# Altium PCB robot.PcbDoc (part 12 of 13) (continued)
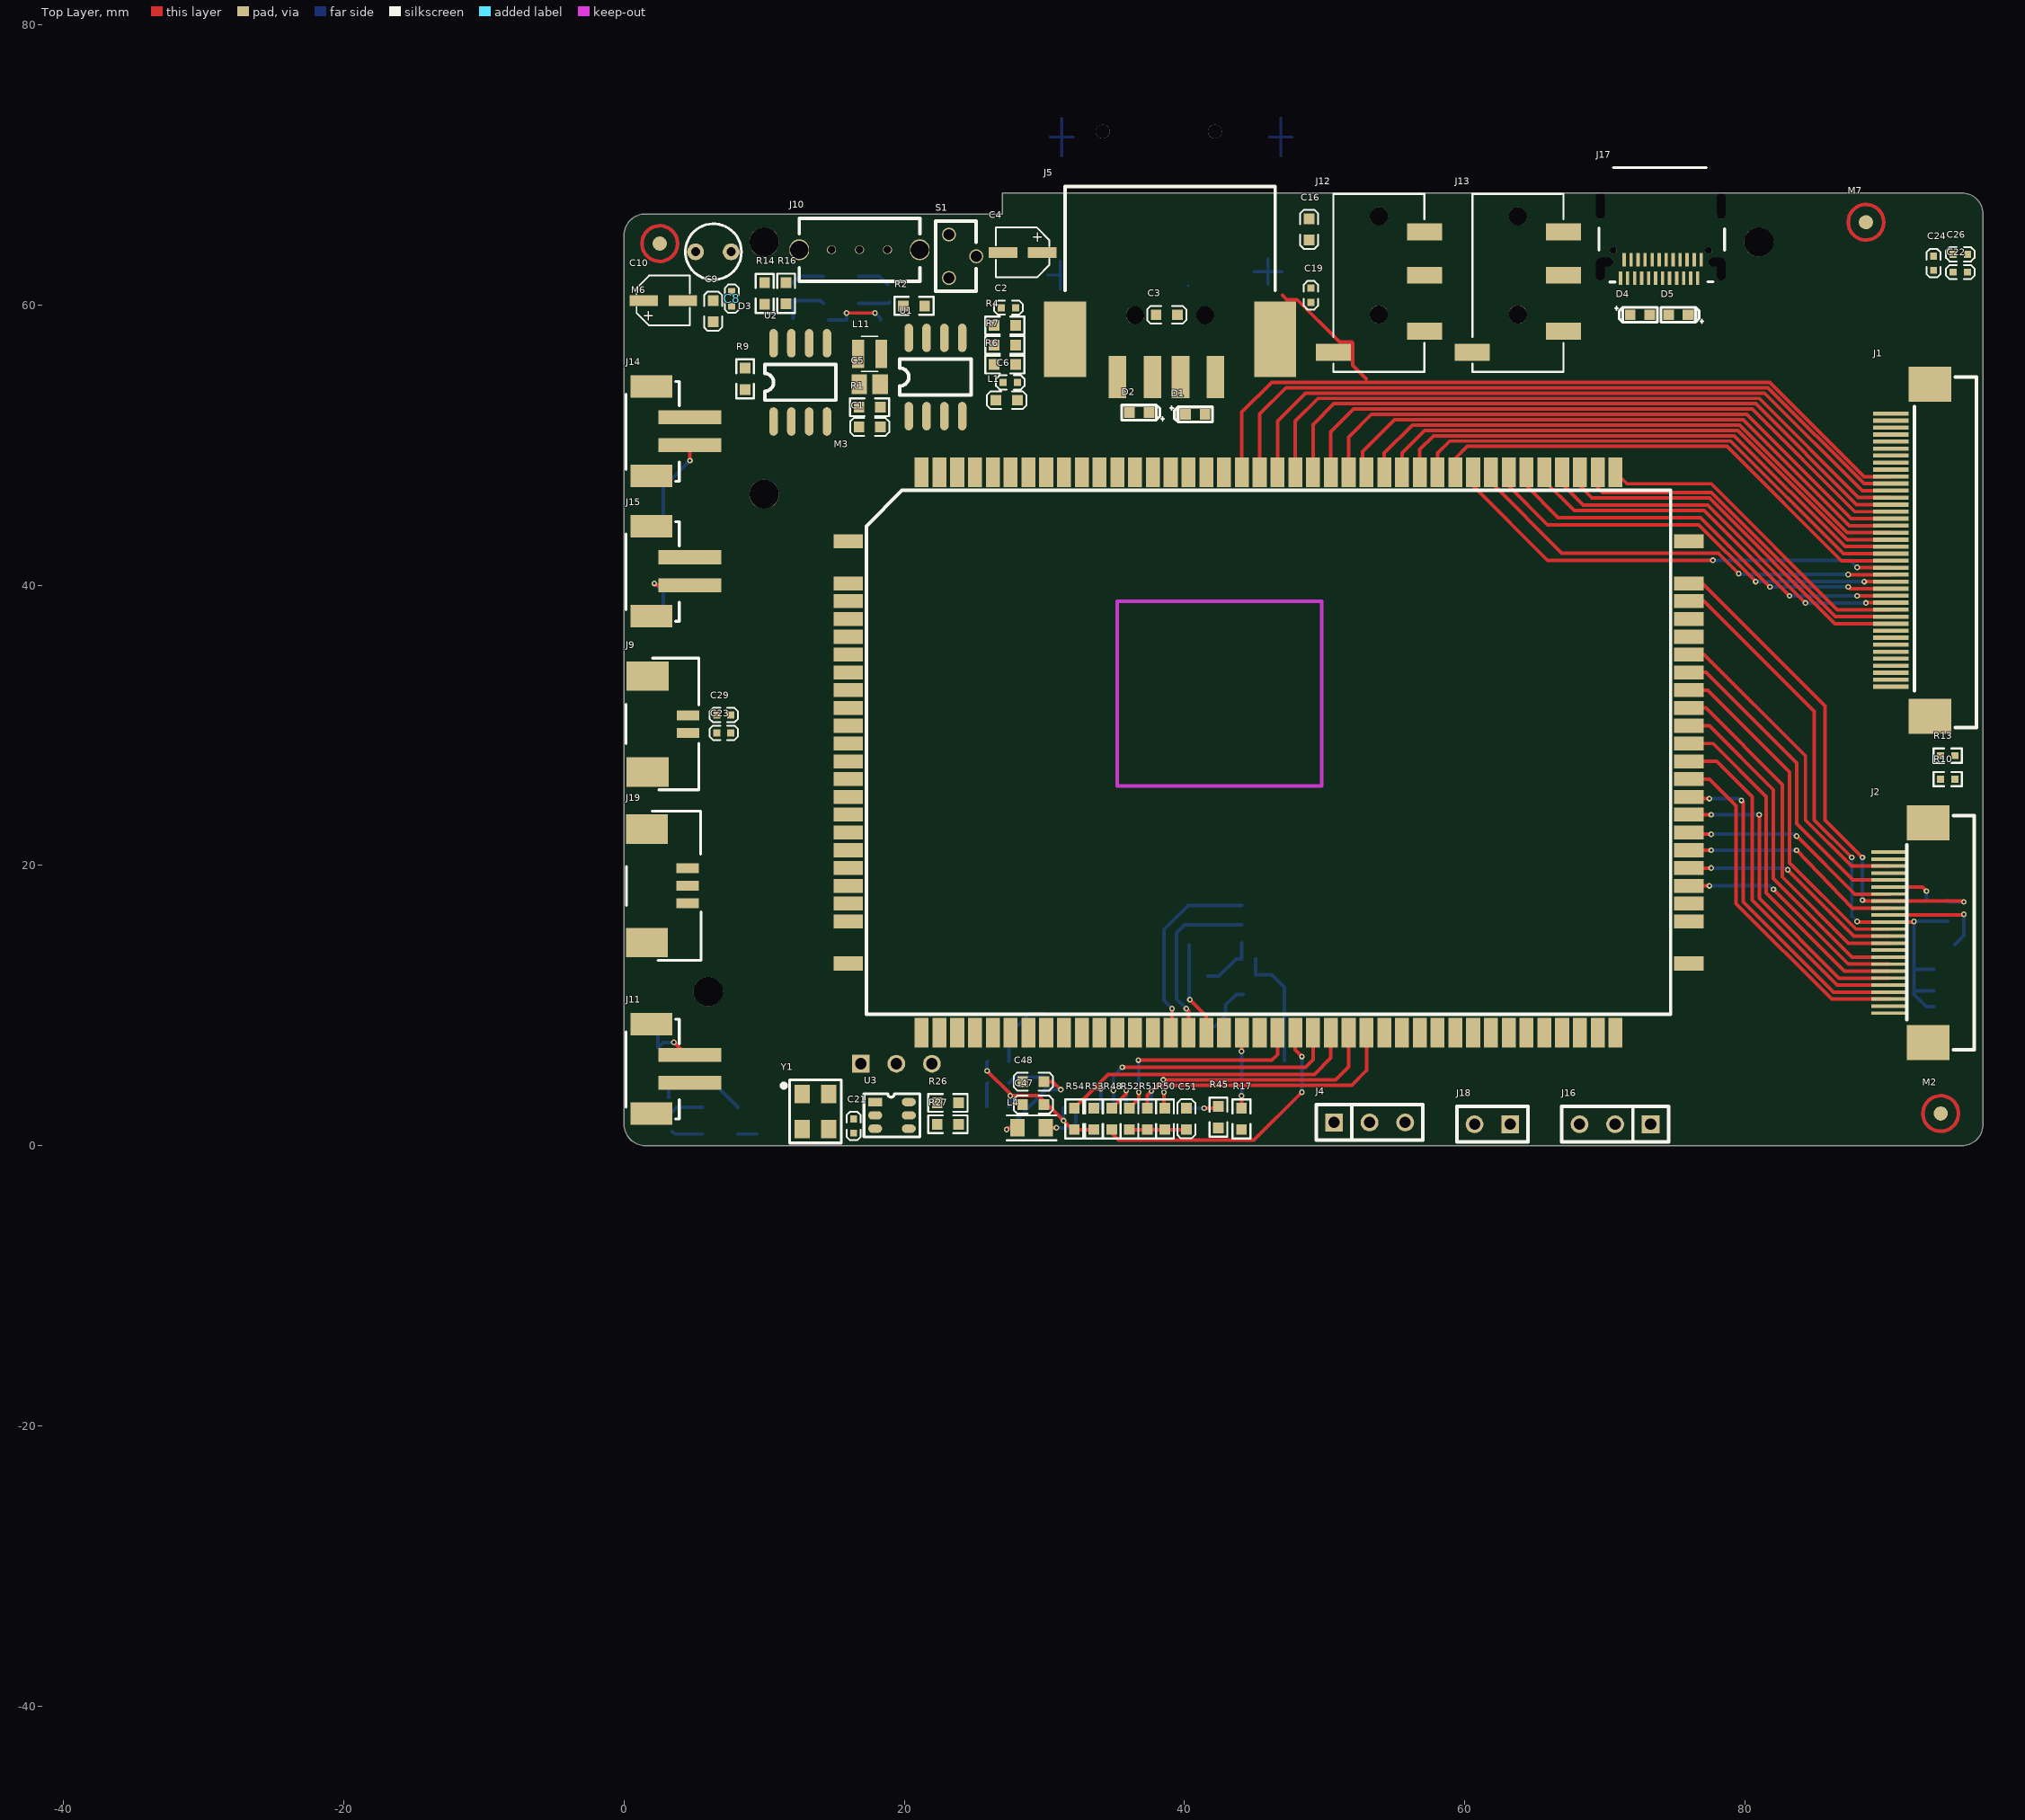
[diagram p0: Top Layer view]
## Free pads (board coordinates) (continued)
  round 0.002 on Mech14: 1(-39.048,-44.132) 1(-39.048,-44.132) 1(-39.048,-44.132) 1(-39.048,-44.131) 1(-39.048,-44.131) 1(-39.048,-44.131) 1(-39.048,-44.127) 1(-39.048,-44.127) 1(-39.048,-44.127) 1(-39.048,-44.126) 1(-39.048,-44.126) 1(-39.048,-44.126) 1(-39.045,-44.133) 1(-39.045,-44.133) 1(-39.045,-44.133) 1(-39.045,-44.132) 1(-39.045,-44.132) 1(-39.045,-44.132) 1(-39.045,-44.126) 1(-39.045,-44.126) 1(-39.045,-44.126) 1(-39.045,-44.125) 1(-39.045,-44.125) 1(-39.045,-44.125) 1(-39.044,-44.122) 1(-39.044,-44.122) 1(-39.044,-44.122) 1(-39.044,-44.119) 1(-39.044,-44.119) 1(-39.044,-44.119) 1(-39.044,-44.116) 1(-39.044,-44.116) 1(-39.044,-44.116) 1(-39.044,-44.114) 1(-39.044,-44.114) 1(-39.044,-44.114)
  round 0.002 on Mech15: 1(-39.048,-44.132) 1(-39.048,-44.132) 1(-39.048,-44.132) 1(-39.048,-44.131) 1(-39.048,-44.131) 1(-39.048,-44.131) 1(-39.048,-44.127) 1(-39.048,-44.127) 1(-39.048,-44.127) 1(-39.048,-44.126) 1(-39.048,-44.126) 1(-39.048,-44.126) 1(-39.045,-44.133) 1(-39.045,-44.133) 1(-39.045,-44.133) 1(-39.045,-44.132) 1(-39.045,-44.132) 1(-39.045,-44.132) 1(-39.045,-44.126) 1(-39.045,-44.126) 1(-39.045,-44.126) 1(-39.045,-44.125) 1(-39.045,-44.125) 1(-39.045,-44.125) 1(-39.044,-44.122) 1(-39.044,-44.122) 1(-39.044,-44.122) 1(-39.044,-44.119) 1(-39.044,-44.119) 1(-39.044,-44.119) 1(-39.044,-44.116) 1(-39.044,-44.116) 1(-39.044,-44.116) 1(-39.044,-44.114) 1(-39.044,-44.114) 1(-39.044,-44.114)
  round 0.005 on Mech3: 1(-39.047,-44.148) 1(-39.047,-44.148) 1(-39.047,-44.148) 1(-39.047,-44.096) 1(-39.047,-44.096) 1(-39.047,-44.096) 1(-38.976,-44.148) 1(-38.976,-44.148) 1(-38.976,-44.148) 1(-38.976,-44.096) 1(-38.976,-44.096) 1(-38.976,-44.096)
  round 0.005 on Mech2: 1(-39.047,-44.148) 1(-39.047,-44.148) 1(-39.047,-44.148) 1(-39.047,-44.096) 1(-39.047,-44.096) 1(-39.047,-44.096) 1(-38.976,-44.148) 1(-38.976,-44.148) 1(-38.976,-44.148) 1(-38.976,-44.096) 1(-38.976,-44.096) 1(-38.976,-44.096)
  round 0.005 on Mech10: 1(-39.047,-44.148) 1(-39.047,-44.148) 1(-39.047,-44.148) 1(-39.047,-44.096) 1(-39.047,-44.096) 1(-39.047,-44.096) 1(-38.976,-44.148) 1(-38.976,-44.148) 1(-38.976,-44.148) 1(-38.976,-44.096) 1(-38.976,-44.096) 1(-38.976,-44.096)
  round 0.005 on Mech14: 1(-39.047,-44.148) 1(-39.047,-44.148) 1(-39.047,-44.148) 1(-39.047,-44.096) 1(-39.047,-44.096) 1(-39.047,-44.096) 1(-38.976,-44.148) 1(-38.976,-44.148) 1(-38.976,-44.148) 1(-38.976,-44.096) 1(-38.976,-44.096) 1(-38.976,-44.096)
  round 0.005 on Mech15: 1(-39.047,-44.148) 1(-39.047,-44.148) 1(-39.047,-44.148) 1(-39.047,-44.096) 1(-39.047,-44.096) 1(-39.047,-44.096) 1(-38.976,-44.148) 1(-38.976,-44.148) 1(-38.976,-44.148) 1(-38.976,-44.096) 1(-38.976,-44.096) 1(-38.976,-44.096)
  round 0 on Mech5: 1(-39.047,-44.143) 1(-39.047,-44.143) 1(-39.047,-44.143) 1(-39.047,-44.143) 1(-39.047,-44.143) 1(-39.047,-44.143) 1(-39.047,-44.14) 1(-39.047,-44.14) 1(-39.047,-44.14) 1(-39.047,-44.14) 1(-39.047,-44.14) 1(-39.047,-44.14) 1(-39.046,-44.142) 1(-39.046,-44.142) 1(-39.046,-44.142) 1(-39.046,-44.142) 1(-39.046,-44.142) 1(-39.046,-44.142) 1(-39.046,-44.141) 1(-39.046,-44.141) 1(-39.046,-44.141) 1(-39.045,-44.142) 1(-39.045,-44.142) 1(-39.045,-44.142) 1(-39.045,-44.143) 1(-39.045,-44.143) 1(-39.045,-44.143) 1(-39.045,-44.143) 1(-39.045,-44.143) 1(-39.045,-44.143) 1(-39.045,-44.14) 1(-39.045,-44.14) 1(-39.045,-44.14) 1(-39.045,-44.14) 1(-39.045,-44.14) 1(-39.045,-44.14) 1(-39.043,-44.099) 1(-39.043,-44.099) 1(-39.043,-44.099) 1(-39.043,-44.11) 1(-39.043,-44.11) 1(-39.043,-44.11) 1(-39.043,-44.099) 1(-39.043,-44.099) 1(-39.043,-44.099) 1(-39.043,-44.098) 1(-39.043,-44.098) 1(-39.043,-44.098) 1(-39.043,-44.11) 1(-39.043,-44.11) 1(-39.043,-44.11) 1(-39.043,-44.109) 1(-39.043,-44.109) 1(-39.043,-44.109) 1(-39.042,-44.099) 1(-39.042,-44.099) 1(-39.042,-44.099) 1(-39.042,-44.11) 1(-39.042,-44.11) 1(-39.042,-44.11) 1(-39.04,-44.109) 1(-39.04,-44.109) 1(-39.04,-44.109) 1(-39.039,-44.109) 1(-39.039,-44.109) 1(-39.039,-44.109) 1(-39.039,-44.108) 1(-39.039,-44.108) 1(-39.039,-44.108) 1(-39.039,-44.109) 1(-39.039,-44.109) 1(-39.039,-44.109) 1(-39.038,-44.122) 1(-39.038,-44.122) 1(-39.038,-44.122) 1(-39.038,-44.122) 1(-39.038,-44.122) 1(-39.038,-44.122) 1(-39.038,-44.121) 1(-39.038,-44.121) 1(-39.038,-44.121) 1(-39.038,-44.121) 1(-39.038,-44.121) 1(-39.038,-44.121) 1(-39.038,-44.121) 1(-39.038,-44.121) 1(-39.038,-44.121) 1(-39.037,-44.122) 1(-39.037,-44.122) 1(-39.037,-44.122) 1(-39.037,-44.121) 1(-39.037,-44.121) 1(-39.037,-44.121) 1(-39.037,-44.121) 1(-39.037,-44.121) 1(-39.037,-44.121) 1(-39.036,-44.102) 1(-39.036,-44.102) 1(-39.036,-44.102) 1(-39.036,-44.122) 1(-39.036,-44.122) 1(-39.036,-44.122) 1(-39.036,-44.122) 1(-39.036,-44.122) 1(-39.036,-44.122) 1(-39.036,-44.121) 1(-39.036,-44.121) 1(-39.036,-44.121) 1(-39.036,-44.121) 1(-39.036,-44.121) 1(-39.036,-44.121) 1(-39.035,-44.103) 1(-39.035,-44.103) 1(-39.035,-44.103) 1(-39.035,-44.102) 1(-39.035,-44.102) 1(-39.035,-44.102) 1(-39.035,-44.102) 1(-39.035,-44.102) 1(-39.035,-44.102) 1(-38.995,-44.105) 1(-38.995,-44.105) 1(-38.995,-44.105) 1(-38.995,-44.105) 1(-38.995,-44.105) 1(-38.995,-44.105) 1(-38.995,-44.102) 1(-38.995,-44.102) 1(-38.995,-44.102) 1(-38.995,-44.102) 1(-38.995,-44.102) 1(-38.995,-44.102) 1(-38.995,-44.103) 1(-38.995,-44.103) 1(-38.995,-44.103) 1(-38.995,-44.104) 1(-38.995,-44.104) 1(-38.995,-44.104) 1(-38.995,-44.103) 1(-38.995,-44.103) 1(-38.995,-44.103) 1(-38.994,-44.103) 1(-38.994,-44.103) 1(-38.994,-44.103) 1(-38.994,-44.105) 1(-38.994,-44.105) 1(-38.994,-44.105) 1(-38.994,-44.105) 1(-38.994,-44.105) 1(-38.994,-44.105) 1(-38.994,-44.102) 1(-38.994,-44.102) 1(-38.994,-44.102) 1(-38.994,-44.102) 1(-38.994,-44.102) 1(-38.994,-44.102) 1(-38.994,-44.105) 1(-38.994,-44.105) 1(-38.994,-44.105) 1(-38.994,-44.105) 1(-38.994,-44.105) 1(-38.994,-44.105) 1(-38.994,-44.102) 1(-38.994,-44.102) 1(-38.994,-44.102) 1(-38.994,-44.102) 1(-38.994,-44.102) 1(-38.994,-44.102) 1(-38.993,-44.103) 1(-38.993,-44.103) 1(-38.993,-44.103) 1(-38.993,-44.104) 1(-38.993,-44.104) 1(-38.993,-44.104) 1(-38.993,-44.103) 1(-38.993,-44.103) 1(-38.993,-44.103) 1(-38.992,-44.103) 1(-38.992,-44.103) 1(-38.992,-44.103) 1(-38.992,-44.105) 1(-38.992,-44.105) 1(-38.992,-44.105) 1(-38.992,-44.105) 1(-38.992,-44.105) 1(-38.992,-44.105) 1(-38.992,-44.102) 1(-38.992,-44.102) 1(-38.992,-44.102) 1(-38.992,-44.102) 1(-38.992,-44.102) 1(-38.992,-44.102) 1(-38.978,-44.105) 1(-38.978,-44.105) 1(-38.978,-44.105) 1(-38.978,-44.105) 1(-38.978,-44.105) 1(-38.978,-44.105) 1(-38.978,-44.104) 1(-38.978,-44.104) 1(-38.978,-44.104) 1(-38.978,-44.104) 1(-38.978,-44.104) 1(-38.978,-44.104) 1(-38.978,-44.103) 1(-38.978,-44.103) 1(-38.978,-44.103) 1(-38.977,-44.103) 1(-38.977,-44.103) 1(-38.977,-44.103) 1(-38.977,-44.102) 1(-38.977,-44.102) 1(-38.977,-44.102) 1(-38.977,-44.105) 1(-38.977,-44.105) 1(-38.977,-44.105) 1(-38.977,-44.103) 1(-38.977,-44.103) 1(-38.977,-44.103) 1(-38.977,-44.105) 1(-38.977,-44.105) 1(-38.977,-44.105) 1(-38.977,-44.104) 1(-38.977,-44.104) 1(-38.977,-44.104) 1(-38.976,-44.105) 1(-38.976,-44.105) 1(-38.976,-44.105) 1(-38.975,-44.105) 1(-38.975,-44.105) 1(-38.975,-44.105) 1(-38.975,-44.105) 1(-38.975,-44.105) 1(-38.975,-44.105) 1(-38.975,-44.104) 1(-38.975,-44.104) 1(-38.975,-44.104) 1(-38.975,-44.104) 1(-38.975,-44.104) 1(-38.975,-44.104)
  round 0 on Mech4: 1(-39.046,-44.143) 1(-39.046,-44.143) 1(-39.046,-44.143) 1(-39.046,-44.143) 1(-39.046,-44.143) 1(-39.046,-44.143) 1(-39.046,-44.141) 1(-39.046,-44.141) 1(-39.046,-44.141) 1(-39.046,-44.141) 1(-39.046,-44.141) 1(-39.046,-44.141) 1(-39.045,-44.143) 1(-39.045,-44.143) 1(-39.045,-44.143) 1(-39.045,-44.143) 1(-39.045,-44.143) 1(-39.045,-44.143) 1(-39.045,-44.141) 1(-39.045,-44.141) 1(-39.045,-44.141) 1(-39.045,-44.141) 1(-39.045,-44.141) 1(-39.045,-44.141) 1(-39.044,-44.1) 1(-39.044,-44.1) 1(-39.044,-44.1) 1(-39.044,-44.1) 1(-39.044,-44.1) 1(-39.044,-44.1) 1(-39.044,-44.097) 1(-39.044,-44.097) 1(-39.044,-44.097) 1(-39.044,-44.097) 1(-39.044,-44.097) 1(-39.044,-44.097) 1(-39.043,-44.112) 1(-39.043,-44.112) 1(-39.043,-44.112) 1(-39.043,-44.112) 1(-39.043,-44.112) 1(-39.043,-44.112) 1(-39.043,-44.108) 1(-39.043,-44.108) 1(-39.043,-44.108) 1(-39.043,-44.108) 1(-39.043,-44.108) 1(-39.043,-44.108) 1(-39.042,-44.1) 1(-39.042,-44.1) 1(-39.042,-44.1) 1(-39.042,-44.1) 1(-39.042,-44.1) 1(-39.042,-44.1) 1(-39.042,-44.097) 1(-39.042,-44.097) 1(-39.042,-44.097) 1(-39.042,-44.097) 1(-39.042,-44.097) 1(-39.042,-44.097) 1(-39.042,-44.112) 1(-39.042,-44.112) 1(-39.042,-44.112) 1(-39.042,-44.112) 1(-39.042,-44.112) 1(-39.042,-44.112) 1(-39.042,-44.108) 1(-39.042,-44.108) 1(-39.042,-44.108) 1(-39.042,-44.108) 1(-39.042,-44.108) 1(-39.042,-44.108) 1(-39.041,-44.11) 1(-39.041,-44.11) 1(-39.041,-44.11) 1(-39.041,-44.11) 1(-39.041,-44.11) 1(-39.041,-44.11) 1(-39.041,-44.108) 1(-39.041,-44.108) 1(-39.041,-44.108) 1(-39.041,-44.108) 1(-39.041,-44.108) 1(-39.041,-44.108) 1(-39.038,-44.122) 1(-39.038,-44.122) 1(-39.038,-44.122) 1(-39.038,-44.122) 1(-39.038,-44.122) 1(-39.038,-44.122) 1(-39.038,-44.121) 1(-39.038,-44.121) 1(-39.038,-44.121) 1(-39.038,-44.121) 1(-39.038,-44.121) 1(-39.038,-44.121) 1(-39.038,-44.11) 1(-39.038,-44.11) 1(-39.038,-44.11) 1(-39.038,-44.11) 1(-39.038,-44.11) 1(-39.038,-44.11) 1(-39.038,-44.108) 1(-39.038,-44.108) 1(-39.038,-44.108) 1(-39.038,-44.108) 1(-39.038,-44.108) 1(-39.038,-44.108) 1(-39.036,-44.104) 1(-39.036,-44.104) 1(-39.036,-44.104) 1(-39.036,-44.104) 1(-39.036,-44.104) 1(-39.036,-44.104) 1(-39.036,-44.101) 1(-39.036,-44.101) 1(-39.036,-44.101) 1(-39.036,-44.101) 1(-39.036,-44.101) 1(-39.036,-44.101) 1(-39.036,-44.122) 1(-39.036,-44.122) 1(-39.036,-44.122) 1(-39.036,-44.122) 1(-39.036,-44.122) 1(-39.036,-44.122) 1(-39.036,-44.121) 1(-39.036,-44.121) 1(-39.036,-44.121) 1(-39.036,-44.121) 1(-39.036,-44.121) 1(-39.036,-44.121) 1(-39.034,-44.104) 1(-39.034,-44.104) 1(-39.034,-44.104) 1(-39.034,-44.104) 1(-39.034,-44.104) 1(-39.034,-44.104) 1(-39.034,-44.101) 1(-39.034,-44.101) 1(-39.034,-44.101) 1(-39.034,-44.101) 1(-39.034,-44.101) 1(-39.034,-44.101) 1(-38.995,-44.105) 1(-38.995,-44.105) 1(-38.995,-44.105) 1(-38.995,-44.105) 1(-38.995,-44.105) 1(-38.995,-44.105) 1(-38.995,-44.102) 1(-38.995,-44.102) 1(-38.995,-44.102) 1(-38.995,-44.102) 1(-38.995,-44.102) 1(-38.995,-44.102) 1(-38.994,-44.105) 1(-38.994,-44.105) 1(-38.994,-44.105) 1(-38.994,-44.105) 1(-38.994,-44.105) 1(-38.994,-44.105) 1(-38.994,-44.102) 1(-38.994,-44.102) 1(-38.994,-44.102) 1(-38.994,-44.102) 1(-38.994,-44.102) 1(-38.994,-44.102) 1(-38.993,-44.105) 1(-38.993,-44.105) 1(-38.993,-44.105) 1(-38.993,-44.105) 1(-38.993,-44.105) 1(-38.993,-44.105) 1(-38.993,-44.102) 1(-38.993,-44.102) 1(-38.993,-44.102) 1(-38.993,-44.102) 1(-38.993,-44.102) 1(-38.993,-44.102) 1(-38.992,-44.105) 1(-38.992,-44.105) 1(-38.992,-44.105) 1(-38.992,-44.105) 1(-38.992,-44.105) 1(-38.992,-44.105) 1(-38.992,-44.102) 1(-38.992,-44.102) 1(-38.992,-44.102) 1(-38.992,-44.102) 1(-38.992,-44.102) 1(-38.992,-44.102) 1(-38.979,-44.104) 1(-38.979,-44.104) 1(-38.979,-44.104) 1(-38.979,-44.104) 1(-38.979,-44.104) 1(-38.979,-44.104) 1(-38.979,-44.102) 1(-38.979,-44.102) 1(-38.979,-44.102) 1(-38.979,-44.102) 1(-38.979,-44.102) 1(-38.979,-44.102) 1(-38.978,-44.105) 1(-38.978,-44.105) 1(-38.978,-44.105) 1(-38.978,-44.105) 1(-38.978,-44.105) 1(-38.978,-44.105) 1(-38.978,-44.104) 1(-38.978,-44.104) 1(-38.978,-44.104) 1(-38.978,-44.104) 1(-38.978,-44.104) 1(-38.978,-44.104) 1(-38.976,-44.104) 1(-38.976,-44.104) 1(-38.976,-44.104) 1(-38.976,-44.104) 1(-38.976,-44.104) 1(-38.976,-44.104) 1(-38.976,-44.102) 1(-38.976,-44.102) 1(-38.976,-44.102) 1(-38.976,-44.102) 1(-38.976,-44.102) 1(-38.976,-44.102) 1(-38.976,-44.105) 1(-38.976,-44.105) 1(-38.976,-44.105) 1(-38.976,-44.105) 1(-38.976,-44.105) 1(-38.976,-44.105) 1(-38.976,-44.104) 1(-38.976,-44.104) 1(-38.976,-44.104) 1(-38.976,-44.104) 1(-38.976,-44.104) 1(-38.976,-44.104)
  round 0.001 on Mech14: 1(-39.046,-44.109) 1(-39.046,-44.109) 1(-39.046,-44.109) 1(-39.046,-44.105) 1(-39.046,-44.105) 1(-39.046,-44.105) 1(-39.027,-44.107) 1(-39.027,-44.107) 1(-39.027,-44.107) 1(-39.026,-44.107) 1(-39.026,-44.107) 1(-39.026,-44.107) 1(-38.986,-44.097) 1(-38.986,-44.097) 1(-38.986,-44.097) 1(-38.982,-44.097) 1(-38.982,-44.097) 1(-38.982,-44.097)
  round 0.001 on Mech15: 1(-39.046,-44.109) 1(-39.046,-44.109) 1(-39.046,-44.109) 1(-39.046,-44.105) 1(-39.046,-44.105) 1(-39.046,-44.105) 1(-39.041,-44.104) 1(-39.041,-44.104) 1(-39.041,-44.104) 1(-39.041,-44.102) 1(-39.041,-44.102) 1(-39.041,-44.102) 1(-39.041,-44.098) 1(-39.041,-44.098) 1(-39.041,-44.098) 1(-39.041,-44.097) 1(-39.041,-44.097) 1(-39.041,-44.097) 1(-39.04,-44.104) 1(-39.04,-44.104) 1(-39.04,-44.104) 1(-39.04,-44.102) 1(-39.04,-44.102) 1(-39.04,-44.102) 1(-39.04,-44.098) 1(-39.04,-44.098) 1(-39.04,-44.098) 1(-39.04,-44.097) 1(-39.04,-44.097) 1(-39.04,-44.097) 1(-39.038,-44.104) 1(-39.038,-44.104) 1(-39.038,-44.104) 1(-39.038,-44.102) 1(-39.038,-44.102) 1(-39.038,-44.102) 1(-39.038,-44.098) 1(-39.038,-44.098) 1(-39.038,-44.098) 1(-39.038,-44.097) 1(-39.038,-44.097) 1(-39.038,-44.097) 1(-39.037,-44.104) 1(-39.037,-44.104) 1(-39.037,-44.104) 1(-39.037,-44.102) 1(-39.037,-44.102) 1(-39.037,-44.102) 1(-39.037,-44.098) 1(-39.037,-44.098) 1(-39.037,-44.098) 1(-39.037,-44.097) 1(-39.037,-44.097) 1(-39.037,-44.097) 1(-39.027,-44.107) 1(-39.027,-44.107) 1(-39.027,-44.107) 1(-39.026,-44.107) 1(-39.026,-44.107) 1(-39.026,-44.107) 1(-38.99,-44.125) 1(-38.99,-44.125) 1(-38.99,-44.125) 1(-38.99,-44.125) 1(-38.99,-44.125) 1(-38.99,-44.125) 1(-38.989,-44.125) 1(-38.989,-44.125) 1(-38.989,-44.125) 1(-38.989,-44.125) 1(-38.989,-44.125) 1(-38.989,-44.125) 1(-38.989,-44.123) 1(-38.989,-44.123) 1(-38.989,-44.123) 1(-38.989,-44.122) 1(-38.989,-44.122) 1(-38.989,-44.122) 1(-38.988,-44.125) 1(-38.988,-44.125) 1(-38.988,-44.125) 1(-38.988,-44.125) 1(-38.988,-44.125) 1(-38.988,-44.125) 1(-38.988,-44.123) 1(-38.988,-44.123) 1(-38.988,-44.123) 1(-38.988,-44.122) 1(-38.988,-44.122) 1(-38.988,-44.122) 1(-38.986,-44.097) 1(-38.986,-44.097) 1(-38.986,-44.097) 1(-38.982,-44.097) 1(-38.982,-44.097) 1(-38.982,-44.097)
  round 0.002 on Mech3: 1(-39.045,-44.133) 1(-39.045,-44.133) 1(-39.045,-44.133) 1(-39.045,-44.132) 1(-39.045,-44.132) 1(-39.045,-44.132) 1(-39.045,-44.126) 1(-39.045,-44.126) 1(-39.045,-44.126) 1(-39.045,-44.125) 1(-39.045,-44.125) 1(-39.045,-44.125)
  round 0.002 on Mech2: 1(-39.045,-44.133) 1(-39.045,-44.133) 1(-39.045,-44.133) 1(-39.045,-44.132) 1(-39.045,-44.132) 1(-39.045,-44.132) 1(-39.045,-44.126) 1(-39.045,-44.126) 1(-39.045,-44.126) 1(-39.045,-44.125) 1(-39.045,-44.125) 1(-39.045,-44.125)
  round 0.002 on Mech10: 1(-39.045,-44.133) 1(-39.045,-44.133) 1(-39.045,-44.133) 1(-39.045,-44.132) 1(-39.045,-44.132) 1(-39.045,-44.132) 1(-39.045,-44.126) 1(-39.045,-44.126) 1(-39.045,-44.126) 1(-39.045,-44.125) 1(-39.045,-44.125) 1(-39.045,-44.125)
  round 0.001 on Mech13: 1(-39.041,-44.104) 1(-39.041,-44.104) 1(-39.041,-44.104) 1(-39.041,-44.102) 1(-39.041,-44.102) 1(-39.041,-44.102) 1(-39.041,-44.098) 1(-39.041,-44.098) 1(-39.041,-44.098) 1(-39.041,-44.097) 1(-39.041,-44.097) 1(-39.041,-44.097) 1(-39.04,-44.104) 1(-39.04,-44.104) 1(-39.04,-44.104) 1(-39.04,-44.102) 1(-39.04,-44.102) 1(-39.04,-44.102) 1(-39.04,-44.098) 1(-39.04,-44.098) 1(-39.04,-44.098) 1(-39.04,-44.097) 1(-39.04,-44.097) 1(-39.04,-44.097) 1(-39.038,-44.104) 1(-39.038,-44.104) 1(-39.038,-44.104) 1(-39.038,-44.102) 1(-39.038,-44.102) 1(-39.038,-44.102) 1(-39.038,-44.098) 1(-39.038,-44.098) 1(-39.038,-44.098) 1(-39.038,-44.097) 1(-39.038,-44.097) 1(-39.038,-44.097) 1(-39.037,-44.104) 1(-39.037,-44.104) 1(-39.037,-44.104) 1(-39.037,-44.102) 1(-39.037,-44.102) 1(-39.037,-44.102) 1(-39.037,-44.098) 1(-39.037,-44.098) 1(-39.037,-44.098) 1(-39.037,-44.097) 1(-39.037,-44.097) 1(-39.037,-44.097) 1(-38.99,-44.125) 1(-38.99,-44.125) 1(-38.99,-44.125) 1(-38.99,-44.125) 1(-38.99,-44.125) 1(-38.99,-44.125) 1(-38.989,-44.125) 1(-38.989,-44.125) 1(-38.989,-44.125) 1(-38.989,-44.125) 1(-38.989,-44.125) 1(-38.989,-44.125) 1(-38.989,-44.123) 1(-38.989,-44.123) 1(-38.989,-44.123) 1(-38.989,-44.122) 1(-38.989,-44.122) 1(-38.989,-44.122) 1(-38.988,-44.125) 1(-38.988,-44.125) 1(-38.988,-44.125) 1(-38.988,-44.125) 1(-38.988,-44.125) 1(-38.988,-44.125) 1(-38.988,-44.123) 1(-38.988,-44.123) 1(-38.988,-44.123) 1(-38.988,-44.122) 1(-38.988,-44.122) 1(-38.988,-44.122)
  round 0 on Mech11: 1(-39.039,-44.143) 1(-39.039,-44.143) 1(-39.039,-44.143) 1(-39.039,-44.143) 1(-39.039,-44.143) 1(-39.039,-44.143) 1(-39.039,-44.108) 1(-39.039,-44.108) 1(-39.039,-44.108) 1(-39.039,-44.108) 1(-39.039,-44.108) 1(-39.039,-44.108) 1(-39.036,-44.106) 1(-39.036,-44.106) 1(-39.036,-44.106) 1(-39.036,-44.106) 1(-39.036,-44.106) 1(-39.036,-44.106) 1(-38.982,-44.143) 1(-38.982,-44.143) 1(-38.982,-44.143) 1(-38.982,-44.143) 1(-38.982,-44.143) 1(-38.982,-44.143) 1(-38.982,-44.106) 1(-38.982,-44.106) 1(-38.982,-44.106) 1(-38.982,-44.106) 1(-38.982,-44.106) 1(-38.982,-44.106)
  round 0 on Mech9: 1(-39.021,-44.127) 1(-39.021,-44.127) 1(-39.021,-44.127) 1(-39.021,-44.127) 1(-39.021,-44.127) 1(-39.021,-44.127) 1(-39.021,-44.114) 1(-39.021,-44.114) 1(-39.021,-44.114) 1(-39.021,-44.114) 1(-39.021,-44.114) 1(-39.021,-44.114) 1(-39.006,-44.127) 1(-39.006,-44.127) 1(-39.006,-44.127) 1(-39.006,-44.127) 1(-39.006,-44.127) 1(-39.006,-44.127) 1(-39.006,-44.114) 1(-39.006,-44.114) 1(-39.006,-44.114) 1(-39.006,-44.114) 1(-39.006,-44.114) 1(-39.006,-44.114)
  round 0 on Mech6: 1(-39.021,-44.127) 1(-39.021,-44.127) 1(-39.021,-44.127) 1(-39.021,-44.127) 1(-39.021,-44.127) 1(-39.021,-44.127) 1(-39.021,-44.114) 1(-39.021,-44.114) 1(-39.021,-44.114) 1(-39.021,-44.114) 1(-39.021,-44.114) 1(-39.021,-44.114) 1(-39.006,-44.127) 1(-39.006,-44.127) 1(-39.006,-44.127) 1(-39.006,-44.127) 1(-39.006,-44.127) 1(-39.006,-44.127) 1(-39.006,-44.114) 1(-39.006,-44.114) 1(-39.006,-44.114) 1(-39.006,-44.114) 1(-39.006,-44.114) 1(-39.006,-44.114)
  round 2.1 hole 2.1: 2(6,11) 2(10,46.5) 2(10,64.5) 2(81,64.5)

## Via types
v1: diameter 0.406, hole 0.203, Top Layer to Bottom Layer, 60 vias

## Nets (pads, with @x,y where several pads share a name; then routed paths per layer and width w, separated by ;. In a path a pad name is that pad's centre, name@x,y a point inside that pad or via, vN(x,y) a via of type N, cw(c..) or ccw(c..) an arc to the next point about the centre after c; other vN are vias at no path point)
ACIN5V: J1.1 J1.2 J1.3 J1.4 L1.2 M3.15 M3.16
AP-CK32KO: M3.110 R40.2 R42.2 | length 1.7
  Bottom Layer w0.254: R42.2@25.908,2.794 25.908,4.445 R40.2@25.933,4.47
AP-UART1-CTS: M3.38 U6.41
AP-UART1-RTS: M3.37 U6.44 | length 6.8
  Top Layer w0.254: v1(40.386,10.414) 41.557,9.243 M3.37@41.557,8.067
  Bottom Layer w0.254: U6.44@40.336,14.317 40.336,10.464 v1(40.386,10.414)
AP-UART1-RX: M3.35 R31.2 U6.42 | length 13.9
  Top Layer w0.254: M3.35@39.017,8.067 39.116,8.166 v1(39.116,9.779)
  Bottom Layer w0.254: v1(39.116,9.779) 38.536,10.359 U6.42@38.536,14.317 38.536,15.422 40.259,17.145 R31.2@44.069,17.145
AP-UART1-TX: M3.36 R32.2 U6.43 | length 12.3
  Top Layer w0.254: v1(40.132,9.779) 40.287,9.624 M3.36@40.287,8.067
  Bottom Layer w0.254: v1(40.132,9.779) 39.436,10.475 U6.43@39.436,14.317 39.436,15.179 40.005,15.748 R32.2@44.069,15.748
AVDD-CSI: C18.1 J2.4 M3.8
B2: J1.10 M3.102 | length 54.3
  Top Layer w0.254: M3.102@44.097,48.067 44.097,52.352 46.228,54.483 81.788,54.483 88.515,47.756 J1.10@90.435,47.756
B3: J1.11 M3.101 | length 52.8
  Top Layer w0.254: M3.101@45.367,48.067 45.367,52.225 47.244,54.102 81.661,54.102 88.507,47.256 J1.11@90.435,47.256
B4: J1.12 M3.100 | length 51.2
  Top Layer w0.254: M3.100@46.637,48.067 46.637,51.717 48.641,53.721 81.407,53.721 88.372,46.756 J1.12@90.435,46.756
B5: J1.13 M3.99 | length 49.8
  Top Layer w0.254: M3.99@47.907,48.067 47.907,51.717 49.53,53.34 81.026,53.34 88.11,46.256 J1.13@90.435,46.256
B6: J1.14 M3.98 | length 48.3
  Top Layer w0.254: M3.98@49.177,48.067 49.177,51.463 50.673,52.959 80.772,52.959 87.975,45.756 J1.14@90.435,45.756
B7: J1.15 M3.97 | length 46.6
  Top Layer w0.254: M3.97@50.447,48.067 50.447,50.955 52.07,52.578 80.518,52.578 87.84,45.256 J1.15@90.435,45.256
BT-HOST-WAKE: M3.106 U6.7
BT-RST-N: M3.109 R33.1 U6.34
BT-WAKE: M3.105 R39.1 U6.6 | length 3.9
  Bottom Layer w0.254: U6.6@41.661,8.492 42.147,8.492 42.926,9.271 42.926,10.033 43.688,10.795 R39.1@44.196,10.795
CHGLED: M3.120 R35.2
DC5V: C2.1 C3.2 C4.2 C8.1 C9.2 C10.2 C28.1 C31.2 C32.1 C33.1 C49.2 J7.2 L1.1 R4.2 R14.2 U1.8 U2.8 U4.5 U5.5 U7.5 | length 3.8
  Bottom Layer w0.254: U7.5@8.128,0.826 C49.2@9.461,0.826 ; C31.2@12.073,61.597 12.516,62.039 U5.5@14.224,62.039 ; 12.255,0.953 12.319,1.016
DVDD1V8-CSI: C17.1 J2.10 M3.13 | length 7.8
  Top Layer w0.254: J2.10@90.297,16.455 95.576,16.455 v1(95.631,16.51)
  Bottom Layer w0.254: C17.1@94.984,14.351 95.631,14.998 v1(95.631,16.51)
G2: J1.16 M3.96 | length 45
  Top Layer w0.254: M3.96@51.717,48.067 51.717,50.574 53.34,52.197 80.137,52.197 87.578,44.756 J1.16@90.435,44.756
G3: J1.17 M3.95 | length 43.4
  Top Layer w0.254: M3.95@52.987,48.067 52.705,48.349 52.705,49.53 54.991,51.816 79.883,51.816 87.443,44.256 J1.17@90.435,44.256
G4: J1.18 M3.94 | length 41.6
  Top Layer w0.254: M3.94@54.257,48.067 54.257,49.431 56.261,51.435 79.629,51.435 87.308,43.756 J1.18@90.435,43.756
G5: J1.19 M3.93 | length 40.2
  Top Layer w0.254: M3.93@55.527,48.067 55.527,49.431 57.15,51.054 79.502,51.054 87.3,43.256 J1.19@90.435,43.256
G6: J1.20 M3.92 | length 38.9
  Top Layer w0.254: M3.92@56.797,48.067 56.797,49.685 57.785,50.673 79.248,50.673 87.165,42.756 J1.20@90.435,42.756
G7: J1.21 M3.91 | length 37.4
  Top Layer w0.254: M3.91@58.067,48.067 58.067,49.431 58.928,50.292 78.994,50.292 87.03,42.256 J1.21@90.435,42.256
GND: ANT1.2 ANT1.3 C1.2 C2.2 C3.1 C4.1 C5.1 C6.2 C7.2 C8.2 C9.1 C10.1 C11.1 C12.2 C13.2 C14.2 C15.2 C16.1 C17.2 C18.2 C19.1 C20.2 C21.2 C22.1 C23.2 C26.2 C28.2 C29.2 C30.2 C31.1 C32.2 C33.2 C34.2 C35.2 C36.2 C39.1 C40.1 C42.2 C43.2 C44.2 C45.2 C46.1 C47.1 C48.1 C49.1 C50.2 C51.2 C52.2 D1.2 D2.2 D4.1 D5.1 J1.5 J1.6 J1.9 J1.34 J1.41 J1.42 J2.2 J2.15 J2.25 J2.26 J3.3 J5.4 J6.6 J6.10 J6.11 J6.12 J6.13 J7.1 J8.3 J8.4 J9.3 J9.4 J10.1 J11.2 J12.3 J13.3 J14.1 J15.1 J16.3 J17.25 J17.26 J17.27 J17.28 J17.29 J17.30 J17.31 J17.32 J17.A1 J17.A12 J17.B1 J17.B12 J18.2 J19.2 M3.9 M3.40 M3.51 M3.103 M3.121 M3.122 M3.123 M3.124 R2.1 R9.1 R16.1 R33.2 R37.1 R38.2 R39.2 R41.2 R45.2 R59.1 R60.1 R63.2 R64.2 S1.1 U2.5 U3.2 U4.8 U5.2 U6.1 U6.3 U6.20 U6.31 U6.33 U6.36 U7.2 Y1.2 Y1.4
HOST2_5V: C50.1 C52.1 J5.1 U7.1 | length 2.2
  Bottom Layer w0.254: C50.1@3.429,1.016 3.619,0.826 U7.1@5.588,0.826
HPL: C25.1 C37.1 M3.118
HPR: C27.1 C38.1 M3.119
LCD-BL-EN: J1.33 M3.47
LCD-PWM: J1.32 M3.30
LCDS0_VN3: J1.29 M3.81 | length 23.7
  Top Layer w0.254: M3.81@70.767,48.067 71.59,47.244 77.597,47.244 86.585,38.256 J1.29@90.435,38.256
LCDS0_VP3: J1.30 M3.82 | length 25.9
  Top Layer w0.254: M3.82@69.497,48.067 69.497,46.962 69.85,46.609 77.597,46.609 86.45,37.756 J1.30@90.435,37.756
LRADC0: M3.115 R46.2 R56.1
LVDS0_VN0: J1.23 M3.89 | length 33.2
  Top Layer w0.254: M3.89@60.607,48.067 60.607,47.089 65.913,41.783 v1(77.724,41.783) ; v1(88.011,41.275) 90.416,41.275 J1.23@90.435,41.256
  Bottom Layer w0.254: v1(77.724,41.783) 87.503,41.783 v1(88.011,41.275)
LVDS0_VN1: J1.25 M3.87 | length 31.1
  Top Layer w0.254: M3.87@63.147,48.067 63.147,47.089 65.913,44.323 76.708,44.323 v1(80.772,40.259) ; v1(88.519,40.259) 90.432,40.259 J1.25@90.435,40.256
  Bottom Layer w0.254: v1(80.772,40.259) v1(88.519,40.259)
LVDS0_VN2: J1.27 M3.85 | length 28.8
  Top Layer w0.254: M3.85@65.687,48.067 65.687,47.47 67.818,45.339 77.089,45.339 v1(83.185,39.243) ; v1(88.011,39.243) 90.422,39.243 J1.27@90.435,39.256
  Bottom Layer w0.254: v1(83.185,39.243) v1(88.011,39.243)
LVDS0_VNC: J1.31 M3.83 | length 27.3
  Top Layer w0.254: M3.83@68.227,48.067 68.227,47.089 69.088,46.228 77.47,46.228 86.442,37.256 J1.31@90.435,37.256
LVDS0_VP0: J1.22 M3.90 | length 35.8
  Top Layer w0.254: M3.90@59.337,48.067 59.337,49.05 60.198,49.911 78.74,49.911 86.895,41.756 J1.22@90.435,41.756
LVDS0_VP1: J1.24 M3.88 | length 32
  Top Layer w0.254: M3.88@61.877,48.067 61.877,47.343 66.929,42.291 78.105,42.291 v1(79.566,40.831) ; v1(87.376,40.767) 87.387,40.756 J1.24@90.435,40.756
  Bottom Layer w0.254: v1(79.566,40.831) 79.629,40.767 v1(87.376,40.767)
LVDS0_VP2: J1.26 M3.86 | length 30
  Top Layer w0.254: M3.86@64.417,48.067 64.417,47.089 66.675,44.831 76.835,44.831 v1(81.788,39.878) ; v1(87.376,39.878) 87.498,39.756 J1.26@90.435,39.756
  Bottom Layer w0.254: v1(81.788,39.878) v1(87.376,39.878)
LVDS0_VPC: J1.28 M3.84 | length 27.9
  Top Layer w0.254: M3.84@66.957,48.067 66.957,47.216 68.453,45.72 77.343,45.72 v1(84.328,38.735) ; v1(88.646,38.735) 88.667,38.756 J1.28@90.435,38.756
  Bottom Layer w0.254: v1(84.328,38.735) v1(88.646,38.735)
MCLK-IN: R26.1 U6.30
MIC+: C22.2 C24.1 J8.1 M3.116
MIC-: C24.2 C26.1 J8.2 M3.117
NetANT1_1: ANT1.1 C39.2 C41.2 | length 8.8
  Bottom Layer w0.254: C41.2@45.085,13.335 C39.2@45.085,12.192 46.228,12.192 47.118,11.302 ANT1.1@47.118,6.072
NetC1_1: C1.1 R1.1
NetC6_1: C6.1 R6.1 U1.4
NetC7_1: C7.1 R8.1
NetC12_1: C12.1 R15.1 U2.4
NetC21_1: C21.1 R25.2 Y1.1
NetC23_1: C23.1 J9.1 L2.1
NetC25_2: C25.2 R29.1
NetC27_2: C27.2 R30.1
NetC29_1: C29.1 J9.2 L3.1
NetC30_1: C30.1 R28.1 U3.3 Y1.3
NetC37_2: C37.2 J12.1 J13.1
NetC38_2: C38.2 J12.4 J13.4
NetC40_2: C40.2 C41.1 U6.2 | length 4.1
  Bottom Layer w0.254: U6.2@41.661,12.092 42.445,12.092 43.688,13.335 C41.1@44.069,13.335 C40.2@44.069,14.478
NetC48_2: C48.2 L4.2 U6.23 | length 7.4
  Top Layer w0.254: v1(27.305,1.143) 27.432,1.27 L4.2@28.067,1.27 ; C48.2@29.972,4.572 30.59,4.572 v1(31.17,3.992)
  Bottom Layer w0.254: v1(27.305,1.143) 30.011,3.849 U6.23@30.011,3.992 v1(31.17,3.992)
NetD3_K: D3.K R35.1
NetD4_2: D4.2 J17.A7 J17.B7 R49.2
NetD5_2: D5.2 J17.A6 J17.B6 R47.2
NetJ2_6: J2.6 R3.2 | length 3.4
  Top Layer w0.254: J2.6@90.297,18.455 92.67,18.455 v1(92.964,18.161)
  Bottom Layer w0.254: R3.2@92.964,17.526 v1(92.964,18.161)
NetJ3_1: J3.1 R12.2
NetJ3_2: J3.2 R11.2
NetJ6_5: J6.5 R24.2
NetJ16_1: J16.1 R44.2
NetJ16_2: J16.2 R43.2
NetJ18_1: J18.1 R56.2
NetL2_2: L2.2 U4.7
NetL3_2: L3.2 U4.6
NetL4_1: L4.1 U6.21 | length 3.3
  Top Layer w0.254: L4.1@30.099,1.27 v1(30.861,1.27)
  Bottom Layer w0.254: v1(30.861,1.27) 31.877,1.27 32.236,1.629 U6.21@32.236,2.667
NetL11_2: L11.2 R1.2 U1.1 U1.2
NetL12_2: L12.2 R8.2 U2.1 U2.2
NetM3_23: M3.23 R11.1
NetM3_24: M3.24 R12.1
NetM3_39: M3.39 R17.2 | length 5.4
  Top Layer w0.254: R17.2@44.069,2.667 v1(44.069,3.556) ; v1(44.069,6.731) 44.069,8.039 M3.39@44.097,8.067
  Bottom Layer w0.254: v1(44.069,3.556) 44.097,3.584 44.069,3.612 v1(44.069,6.731)
NetR2_2: R2.2 U1.7
NetR4_1: R4.1 R7.2 U1.6
NetR7_1: R7.1 U1.5
NetR9_2: R9.2 U2.7
NetR14_1: R14.1 R16.2 U2.6
NetR25_1: R25.1 R28.2 U3.1 U3.4
NetR26_2: R26.2 U3.6
NetR27_2: R27.2 U3.5
NetR29_2: R29.2 U4.3
NetR30_2: R30.2 U4.4
NetR36_1: R36.1 U6.29 | length 5.1
  Bottom Layer w0.254: R36.1@27.457,5.994 27.457,7.937 28.912,9.392 U6.29@30.011,9.392
NetR40_1: R40.1 U6.24 | length 2.7
  Bottom Layer w0.254: R40.1@27.457,4.47 27.879,4.892 U6.24@30.011,4.892
NetR48_1: R48.1 U6.17 | length 3
  Top Layer w0.254: R48.1@34.82,2.667 35.836,3.683 v1(35.836,3.937)
  Bottom Layer w0.254: U6.17@35.836,2.667 v1(35.836,3.937)
NetR58_1: R58.1 R59.2 U5.4 | length 3.5
  Bottom Layer w0.254: R58.1@12.065,59.055 12.073,59.063 R59.2@12.073,60.327 14.032,60.327 U5.4@14.224,60.134
NetR60_2: R60.2 U5.3 | length 2.2
  Bottom Layer w0.254: U5.3@16.764,60.134 18.859,60.134 R60.2@18.923,60.198
NetR62_1: R62.1 R64.1 U7.4 | length 6.7
  Bottom Layer w0.254: R64.1@3.175,3.429 R62.1@3.175,4.445 6.413,4.445 U7.4@8.128,2.73
NetR63_1: R63.1 U7.3 | length 2.5
  Bottom Layer w0.254: R63.1@3.302,2.286 3.746,2.73 U7.3@5.588,2.73
PA-SHDN: J12.2 J13.2 R34.1
PB6: M3.48
PE0_CSI-PCLK: J2.17 M3.63 | length 16.6
  Top Layer w0.254: M3.63@76.002,18.542 v1(77.47,18.542) ; v1(82.042,18.288) 87.375,12.955 J2.17@90.297,12.955
  Bottom Layer w0.254: v1(77.47,18.542) 81.788,18.542 v1(82.042,18.288)
PE1_CSI-MCLK: J2.13 M3.64 | length 16.3
  Top Layer w0.254: M3.64@76.002,19.812 v1(77.597,19.812) ; v1(83.058,19.685) 87.788,14.955 J2.13@90.297,14.955
  Bottom Layer w0.254: v1(77.597,19.812) 82.931,19.812 v1(83.058,19.685)